# Altium PCB hellen1-72.PcbDoc (part 2 of 3)
Units mm, origin at the board's own origin, x right, y up, seen from the top; angles counter-clockwise.
Board outline 154 x 159 mm, 2 copper layers (Top Layer, Bottom Layer), stack 1.171 mm thick; 132 components, 217 nets, 877 pads, 490 vias.
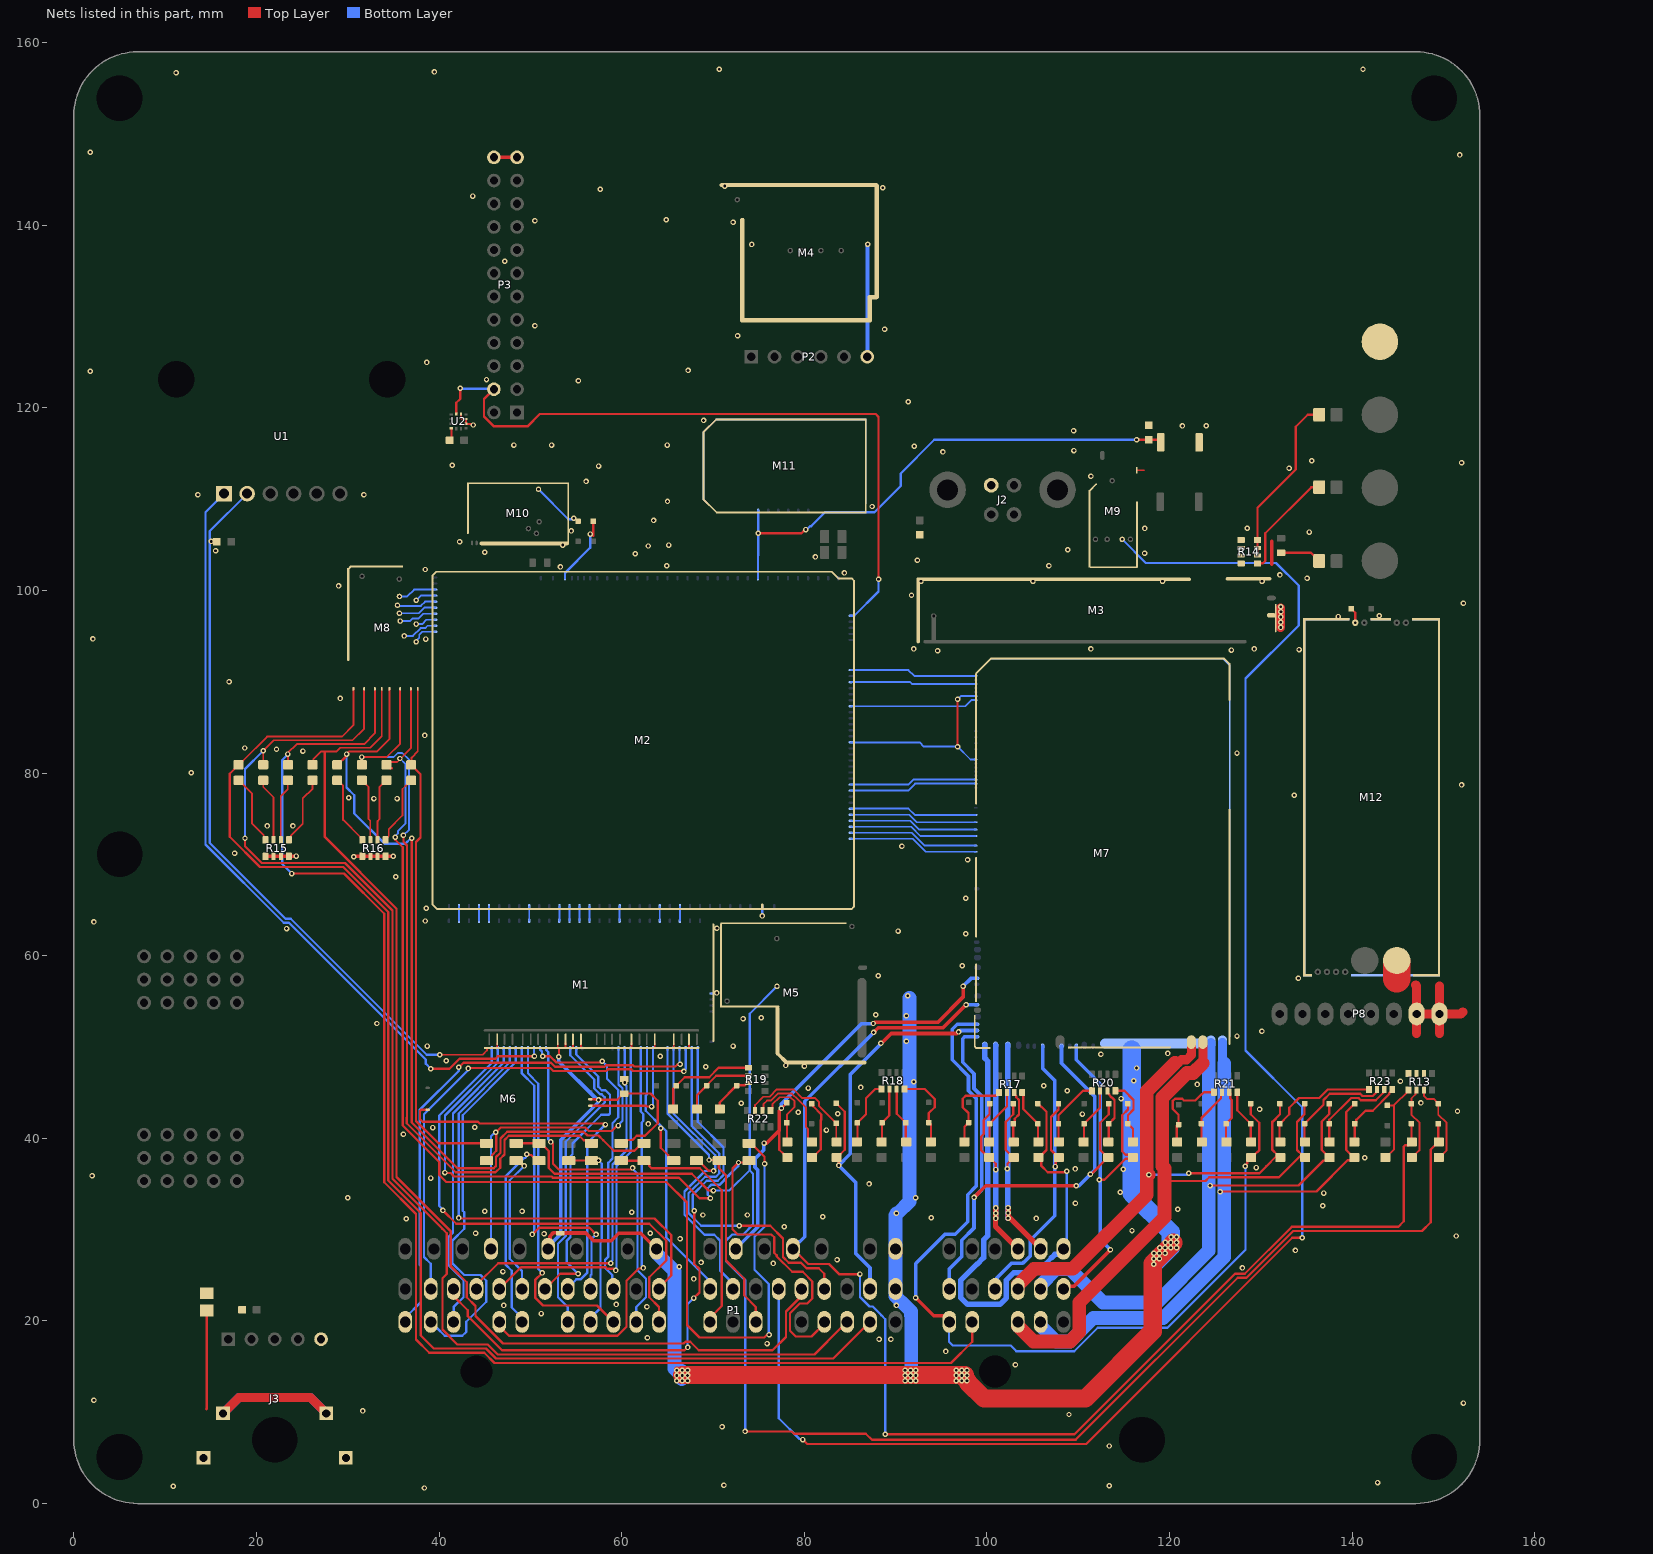
[diagram p2: the nets of this part, all layers, seen from the top]

## Via types
v1: diameter 0.6, hole 0.3, Top Layer to Bottom Layer, tented both sides, 490 vias

## Nets (pads, with @x,y where several pads share a name; then routed paths per layer and width w, separated by ;. In a path a pad name is that pad's centre, name@x,y a point inside that pad or via, vN(x,y) a via of type N, cw(c..) or ccw(c..) an arc to the next point about the centre after c; other vN are vias at no path point) (continued)
EXT_SPI_SCK: M2.E1 P3.4 U2.12 | length 77.8
  Top Layer w0.25: U2.12@41.9,119.325 41.9,120.55 42.325,120.975 v1(42.325,122.15) ; P3.4@46.01,122.04 44.935,120.965 44.935,119.055 46.015,117.975 49.691,117.975 51.041,119.325 87.825,119.325 88.138,119.013 v1(88.138,101.237)
  Bottom Layer w0.25: v1(42.325,122.15) 42.38,122.095 45.955,122.095 P3.4@46.01,122.04 ; M2.E1@85.102,97.225 85.475,97.225 88.138,99.888 v1(88.138,101.237)
FTP_PPS: M1.N5 M2.S29 | length 1.6
  Bottom Layer w0.2: M1.N5@45.483,63.83 M2.S29@45.483,65.42
FUEL_LEVEL: M1.N24 M2.S10 | length 1.6
  Bottom Layer w0.2: M1.N24@66.382,63.83 M2.S10@66.382,65.42
GND: C1.2 C2.1 C4.2 C5.1 J1.1 J2.4 J3.5 L1.1 M1.E1 M2.S2 M3.G M4.G M4.V2 M4.V3 M5.S1 M7.G M7.S3 M8.G M9.E1 M9.S1 M10.E1 M11.G M12.E6 M12.G P1.3A P1.3B P1.4A P2.6 P3.23 P3.24 P7.1 P8.1 P8.2 R13.6 R13.7 R13.8 R14.5 R14.6 R14.7 R14.8 R15.5 R15.6 R15.7 R15.8 R16.5 R16.6 R16.7 R16.8 S2.2 U2.4 U2.8 U2.9 U2.11 | length 224.4
  Top Layer w0.2: C4.2@41.16,116.45 41.35,116.64 U2.4@41.35,117.775 ; U2.11@42.4,119.325 42.4,118.9 42.525,118.775 U2.9@42.95,118.775 U2.8@42.95,118.275 42.975,118.25 43.625,118.25 v1(43.75,118.125) ; M9.E1@116.42,113.175 117.25,113.175
  Top Layer w0.4: R15.5@20.999,70.886 R15.6@21.874,70.886 R15.7@22.674,70.886 R15.8@23.549,70.886 23.574,70.911 v1(24.374,70.911) ; v1(30.674,70.836) 30.724,70.886 R16.5@31.599,70.886 R16.6@32.474,70.886 R16.7@33.274,70.886 R16.8@34.149,70.886 v1(34.974,70.886) v1@34.999,70.861 ; P3.24@46.01,147.44 P3.23@48.55,147.44 ; J1.1@53.475,29.625 56.075,29.625 56.5,29.2 56.5,29.185 56.91,28.775 58.85,28.775 59.675,29.6 62.1,29.6 63.14,28.56 63.292,28.56 63.8,28.052 P1.4A@63.8,27.9 ; 131.2,102.875 131.2,105.373 ; v1(132.2,98.225) 132.2,97.669 v1(132.21,97.659)
  Top Layer w0.6: v1@66.05,13.575 v1(66.05,14.025) v1(66.05,14.6) v1@66.05,14.725 ; v1@66.65,13.575 v1(66.65,14.025) 66.65,14.075 v1(66.65,14.6) v1@66.65,14.725 ; v1@67.225,13.575 v1(67.225,14.025) 67.225,14.075 v1(67.225,14.6) v1@67.225,14.725 ; v1@91.05,13.575 v1(91.05,14.025) 91.05,14.075 v1(91.05,14.6) v1@91.05,14.725 ; v1@91.65,13.575 v1(91.65,14.025) 91.65,14.075 v1(91.65,14.6) v1@91.65,14.725 ; v1@92.225,13.575 v1(92.225,14.025) 92.225,14.075 v1(92.225,14.6) v1@92.225,14.725 ; v1@96.65,13.575 v1(96.65,14.025) 96.65,14.075 v1(96.65,14.6) v1@96.65,14.725 ; v1@97.25,13.575 v1(97.25,14.025) 97.25,14.075 v1(97.25,14.6) v1@97.25,14.725 ; v1@97.825,13.575 v1(97.825,14.025) v1(97.825,14.6) v1@97.825,14.725
  Top Layer w1: v1@132.15,95.975 v1@132.15,98.075 ; 146.975,56.8 147.075,56.7 P8.2@147.075,53.625 ; 147.075,51.5 P8.2@147.075,53.625 ; 149.575,51.5 P8.1@149.575,53.625 ; 149.575,56.7 P8.1@149.575,53.625 ; 152.125,53.85 151.9,53.625 P8.1@149.575,53.625 ; P8.2@147.075,53.625 P8.1@149.575,53.625
  Top Layer w1.5: P1.3A@90,27.45 P1.3A@90,27.9
  Top Layer w2: v1@66.65,14.075 67.225,14.075 91.05,14.075 91.65,14.075 92.225,14.075 96.65,14.075 97.25,14.075 v1@97.6,14.075 ; v1(97.25,14.025) v1(97.825,13.45) 97.95,13.325 97.95,13.228 99.678,11.5 110.801,11.5 118.175,18.874 118.175,26.3 v1@120.425,28.55 ; M12.E6@144.9,59.475 M12.E6@145.091,59.284
  Top Layer w3: 144.891,57.459 M12.E6@144.891,59.309
  Bottom Layer w0.25: M1.E1@69.85,55.858 70.358,55.858 v1(70.425,55.925) ; v1(75.4,64.35) 75.405,64.355 M2.S2@75.405,65.323
  Bottom Layer w0.4: P2.6@86.927,125.6 M4.V3@86.927,137.909
  Bottom Layer w1.5: P1.4A@63.8,27.9 63.8,27.45 65.8,25.45 65.8,14.775 v1@66.05,14.525 ; v1@66.6,13.637 v1@66.6,14.525 ; P1.3A@90,27.45 P1.3B@90,23.5 90,22.709 90.659,22.05 90.704,22.05 91.7,21.054 91.7,20.65 91.725,20.625 v1@91.725,14.025 ; P1.3A@90,27.9 v1@90,31.549 ; v1(90.1,31.8) 90.251,31.8 91.525,33.074 v1@91.525,55.4
  Bottom Layer w2: 115.875,49.725 115.875,33.975 120.15,29.7 v1(120.15,28.6) 120.15,28.075 v1(118.275,26.2)
  other v1: 38.4,1.7 10.9,1.9 113.4,1.95 71.2,2 142.8,2.3 113.4,6.3 71,8.4 109,9.75 31.661,10.144 152.2,11 2.2,11.3 66.05,13.45 66.65,13.45 67.225,13.45 91.05,13.45 91.65,13.45 92.225,13.45 96.65,13.45 97.25,13.45 103.136,15.196 95.505,16.658 75.925,17.525 88.2,18 89.5,18 62.825,18.15 51.2,20.8 62.775,21.55 47.1,21.7 90.1,21.7 59.4,21.8 67.9,24.6 47,25.4 128,25.8 66.3,25.925 76.6,26.3 68.7,26.4 83.6,26.7 118.275,26.8 118.9,26.8 118.3,27.4 118.9,27.4 119.525,27.4 133.8,27.725 118.925,28 119.525,28 120.15,28 120.775,28 119.55,28.6 120.775,28.6 66.4,29 120.175,29.2 120.775,29.2 151.425,29.3 51.5,29.55 44,29.6 63.125,29.6 115.9,29.9 77.8,30.3 36.4,31.2 105.425,31.225 93.9,31.3 82.025,31.4 68.9,31.6 73.775,31.6 61.1,31.9 45,32 49.1,32 120.9,32.225 136.8,32.6 109.7,32.9 30,33.5 92.2,33.5 136.9,34 114.6,34.1 87.1,35 39.1,35.65 2,35.9 114.95,36.625 109.675,36.65 129.5,36.8 141.4,37.875 36.1,40.45 82.431,40.899 39.325,41.175 43.9,41.2 62.925,41.575 110.475,42.65 83.675,42.7 79.35,42.85 151.55,42.975 129.875,43.175 73.104,43.827 147.55,43.875 114.7,44.35 108.8,45.2 80.45,45.5 86.2,45.575 106.225,45.75 123.05,45.9 92,46.2 145.3,46.25 116.1,46.3 116.4,47.7 69.225,47.85 80.025,47.9 77.975,47.975 40.8,48.5 64.225,49 112.5,49.2 119.825,49.3 38.7,50.1 72.2,50.1 91.2,50.625 127.4,51.2 130.125,51.725 33.2,52.575 73.3,53.1 75.3,53.2 91.2,53.425 87.825,53.525 91.35,55.625 134.125,57.525 88.1,57.8 97.3,58.9 97.7,62.4 90.275,62.7 23.3,62.975 70.44,63.02 2.2,63.7 38.5,63.8 38.6,65.2 97.7,66.3 35.275,68.65 97.894,70.504 17.604,71.232 90.7,72 21.199,74.211 23.999,74.211 32.874,77.211 35.399,77.211 30.099,77.311 133.675,77.575 152,78.7 12.85,80.025 127.4,82.2 25.099,82.411 22.199,82.611 18.725,82.75 38.425,84.125 29.175,88.175 17,90 94.6,93.4 126.795,93.475 134.2,93.525 92,93.6 111.4,93.6 129.3,93.6 38.55,94.675 2.1,94.7 132.2,95.95 132.2,96.525 132.2,97.1 138.475,97.15 142.975,97.225 152.2,98.6 91.75,99.475 29,100.5 135.075,101.35 132.1,101.7 84.4,101.925 38.5,102.3 53.3,102.575 64.95,102.7 106.8,102.7 92.4,103.3 81.225,103.675 61.5,104.025 117.275,104.075 45,104.2 15.525,104.35 108.875,104.45 62.921,104.872 53.55,104.975 65.175,104.975 42.25,105.35 135.3,106.4 54.475,106.525 117.3,106.8 128.531,106.805 63.5,107.675 87.425,109.2 65.025,109.75 13.6,110.5 31.775,110.5 56.1,111.95 111.4,112.5 133.1,113.4 57.475,113.625 41.454,113.719 152,114 135.6,114.2 95.189,115.171 109.543,115.323 92.049,115.802 48.2,115.925 52.325,115.925 65,115.925 109.5,117.5 121.425,118.025 124.025,118.05 68.975,118.625 91.4,120.675 55.275,122.975 45.2,123.1 1.8,124 67.275,124.1 38.65,124.975 72.7,127.9 88.8,128.6 50.5,129 47.186,136.055 72.2,140.325 50.5,140.5 64.9,140.6 43.7,143.2 57.65,143.95 88.6,144.1 71.3,144.3 151.8,147.7 1.8,148 11.2,156.7 39.5,156.8 70.699,157.092 141.2,157.1
GNDA: C3.2 J1.2 M1.J2 M1.J4 M1.J11 M1.J12 M1.J13 M1.J14 M1.J19 M1.J22 M1.J23 M1.J25 M1.N2 M2.S32 M6.E2 P1.4O R6.2 R12.1 U1.2 | length 142.6
  Top Layer w0.2: v1(40.075,49.15) 44.775,49.15 45.245,49.62 45.245,49.877 45.269,49.9 M1.J2@56.72,49.9 ; M1.J2@46.37,49.925 M1.J4@46.37,50.45 ; M1.J2@52.995,49.925 M1.J11@52.995,50.45 ; v1(53.125,48.925) M1.J2@53.125,49.9 ; M1.J2@53.87,49.925 M1.J12@53.87,50.45 ; M1.J2@54.67,49.925 M1.J13@54.67,50.45 ; M1.J2@55.545,49.925 M1.J14@55.545,50.45 ; M1.J2@61.07,49.925 M1.J19@61.07,50.45 ; M1.J2@63.62,49.925 M1.J22@63.62,50.45 ; M1.J2@65.7,49.925 M1.J23@65.7,50.45 ; M1.J2@67.375,49.925 M1.J25@67.375,50.45
  Top Layer w0.25: M6.E2@56.575,44.275 57.1,44.275 57.15,44.225 59.515,44.225 60.19,44.9 R12.1@60.3,44.9 63.175,44.9 63.95,44.125 63.95,41.659 62.566,40.275 61.649,40.275 61.199,39.825 60.325,39.825 R6.2@59.95,39.45
  Top Layer w0.4: v1(15.05,105.375) 15.063,105.362 15.647,105.362 C3.2@15.66,105.35 ; P1.4O@51.95,27.9 52.158,28.108 52.158,29.218 52.2,29.26 52.2,29.325 52.55,29.675 J1.2@52.825,29.675
  Bottom Layer w0.2: M1.N2@42.18,63.827 42.183,63.83 42.183,65.12 ; 42.185,65.123 42.183,65.12 ; M2.S32@42.185,65.423 42.183,65.42 42.183,65.12
  Bottom Layer w0.25: U1.2@18.99,110.6 14.875,106.485 14.875,105.375 14.875,72.364 23.189,64.05 23.75,64.05 38.65,49.15 v1(40.075,49.15)
  Bottom Layer w0.4: P1.4O@51.95,27.9 51.95,28.148 53.35,29.548 53.35,39.854 57.437,43.941 57.437,44.108 57.475,44.108 57.475,44.146 57.321,44.3 57.25,44.3 53.125,48.425 v1(53.125,48.925)
  other v1: 57.475,44.2
IAT: M1.N15 M2.S19 | length 1.6
  Bottom Layer w0.2: M1.N15@56.483,63.83 M2.S19@56.483,65.42
IDLE: M2.E18 M7.W29 M7.W35 | length 21.8
  Top Layer w0.2: v1(96.8,82.9) v1(96.8,88.1)
  Bottom Layer w0.2: M2.E18@85.102,83.365 92.635,83.365 93.1,82.9 v1(96.8,82.9) 98.211,81.489 M7.W29@98.772,81.489 ; v1(96.8,88.1) 97.139,88.439 M7.W35@98.772,88.439
IGN1: M2.W1 M8.V8 | length 2.8
  Bottom Layer w0.2: M8.V8@37.5,94.375 37.5,94.483 37.833,94.817 37.833,95.158 38.155,95.48 M2.W1@39.575,95.48
IGN2: M2.W2 M8.V7 | length 3.8
  Bottom Layer w0.2: M8.V7@36.19,95.025 37.134,95.025 37.989,95.88 38.48,95.88 38.74,96.14 M2.W2@39.575,96.14
IGN3: M2.W3 M8.V6 | length 2.3
  Bottom Layer w0.2: M8.V6@37.5,96.325 38.15,96.325 38.625,96.8 M2.W3@39.575,96.8
IGN4: M2.W4 M8.V5 | length 4.2
  Bottom Layer w0.2: M8.V5@35.74,96.65 36.8,96.65 37.1,96.95 37.775,96.95 38.285,97.46 M2.W4@39.575,97.46
IGN5: M2.W5 M8.V4 | length 4.2
  Bottom Layer w0.2: M8.V4@35.665,97.5 37.759,97.5 38.379,98.12 M2.W5@39.575,98.12
IGN6: M2.W6 M8.V3 | length 4.3
  Bottom Layer w0.2: M8.V3@35.45,98.375 35.509,98.316 38.009,98.316 38.474,98.78 M2.W6@39.575,98.78
IGN7: M2.W7 M8.V2 | length 2.3
  Bottom Layer w0.2: M8.V2@37.5,98.925 38.015,99.44 M2.W7@39.575,99.44
IGN8: M2.W8 M8.V1 | length 4.2
  Bottom Layer w0.2: M8.V1@35.665,99.35 36.525,99.35 37.275,100.1 M2.W8@39.575,100.1
IN_AC_PRESS: M1.S17 P1.4F | length 39.9
  Top Layer w0.25: v1(52.25,39.6) 52.475,39.375 52.475,37.225 53.125,36.575 61.025,36.575 v1(61.2,36.75)
  Bottom Layer w0.25: M1.S17@51.715,49.865 51.715,49.716 51.975,49.456 51.975,39.907 52.25,39.632 v1(52.25,39.6) ; v1@61.2,36.675 61.745,36.13 61.745,25.55 62.675,24.62 62.675,22.605 61.6,21.53 P1.4F@61.6,19.9
IN_AFR: M1.S25 P1.3L R1.1 | length 84.9
  Top Layer w0.25: v1(40.65,36.25) 40.7,36.2 41.275,36.2 41.65,35.825 52.314,35.825 52.464,35.675 66.289,35.675 68.539,33.425 v1(69.725,33.425) ; R1.1@73.95,37.55 73.75,37.35 v1(72.8,37.35) 72.15,36.7 72.15,30.05 72.725,29.475 76.4,29.475 76.705,29.17 76.705,27.47 76.975,27.2 76.975,27.078 78.678,25.375 79.825,25.375 80.875,24.325 80.875,22.45 80.338,21.913 79.513,21.913 78.45,20.85 78.45,18.925 79.075,18.3 80.8,18.3 82.2,19.7 P1.3L@82.2,19.9
  Bottom Layer w0.25: v1(40.65,36.25) 40.65,42.489 46.435,48.274 M1.S25@46.435,49.865 ; v1(69.725,33.425) 69.725,33.52 69.425,33.82 69.425,34.534 69.791,34.9 70.175,34.9 70.707,34.9 71.72,35.913 72.761,36.955 72.761,37.311 v1(72.8,37.35)
IN_BRAKE: M1.S23 P1.4B | length 51.5
  Top Layer w0.25: v1@42.125,31.275 42.175,31.225 63.6,31.225 65.45,29.375 65.45,25 64.1,23.65 P1.4B@64.1,23.5
  Bottom Layer w0.25: v1(42.15,31.275) 42.15,42.716 47.755,48.321 M1.S23@47.755,49.865
IN_CAM: M1.S5 P1.3V R3.1 | length 35.3
  Top Layer w0.25: R3.1@68.2,37.55 68.425,37.55 69.525,36.45 70.05,36.45 v1(70.075,36.425)
  Bottom Layer w0.25: M1.S5@65.689,49.865 65.689,42.697 70.25,38.136 70.25,36.695 v1@70.075,36.52 ; v1(70.075,36.425) 69.139,36.425 66.875,34.161 66.875,31.639 68.539,29.975 69.089,29.425 70.145,29.425 70.775,28.795 70.775,25.525 72.2,24.1 P1.3V@72.2,23.5
IN_CLT: M1.S15 P1.4P | length 33.8
  Top Layer w0.25: P1.4P@51.6,23.5 51.6,23.612 52.177,24.189 52.289,24.189 53.275,25.175 v1(55.225,25.175)
  Bottom Layer w0.25: M1.S15@55.021,49.865 55.021,49.179 57.453,46.747 57.453,45.641 57.82,45.275 58.243,45.275 58.737,44.781 58.737,42.707 58.605,42.575 57.78,42.575 54.63,39.425 54.63,38.255 54.4,38.025 54.4,29.19 54.005,28.795 54.005,26.395 v1(55.225,25.175)
IN_CLUTCH: M1.S20 P1.4I | length 38
  Top Layer w0.25: v1(51.3,25.25) 50.525,24.475 50.525,22.575 51.4,21.7 57.3,21.7 58.411,20.589 58.523,20.589 59.1,20.012 P1.4I@59.1,19.9
  Bottom Layer w0.25: M1.S20@49.735,49.865 49.735,47.115 50.875,45.975 50.875,25.675 v1(51.3,25.25)
IN_CRANK: M1.S8 P1.3Y R4.1 | length 33.8
  Top Layer w0.25: v1(64.275,41.1) 64.275,38.975 65.1,38.15 65.1,37.925 65.475,37.55 R4.1@65.7,37.55
  Bottom Layer w0.25: M1.S8@62.768,49.865 62.768,44.793 62.65,44.675 62.65,43.02 v1@64.423,41.248 ; v1(64.275,41.1) v1@64.423,41.248 ; P1.3Y@69.7,23.5 69.7,24.288 69.352,24.636 69.352,24.673 64.875,29.15 64.875,40.795 v1@64.423,41.248
IN_EGR: M1.S22 P1.4AE | length 42.3
  Bottom Layer w0.25: P1.4AE@39.1,19.9 39.1,19.788 39.677,19.211 39.789,19.211 40.625,18.375 42.55,18.375 42.975,18.8 42.975,19.9 45.175,22.1 45.175,24.395 44.545,25.025 42.761,25.025 41.485,26.301 41.485,28.81 42.775,30.1 42.775,31.887 42.6,32.062 42.6,42.529 48.415,48.344 M1.S22@48.415,49.865
IN_FTP_PPS: M1.S24 P1.4AB | length 33.6
  Bottom Layer w0.25: P1.4AB@41.6,19.9 41.6,21.53 42.675,22.605 42.675,24.475 41.025,26.125 41.025,29.189 41.525,29.689 41.525,42.727 47.095,48.297 M1.S24@47.095,49.865
IN_FUEL_LEVEL: M1.S3 P1.4AD | length 52.9
  Top Layer w0.25: v1(43.2,47.65) 43.25,47.7 52.193,47.7 52.518,47.375 58.32,47.375 58.495,47.55 61.064,47.55 61.239,47.375 66.775,47.375 v1(66.825,47.325)
  Bottom Layer w0.25: P1.4AD@39.1,23.5 39.1,26.26 38.355,27.005 38.355,42.643 43.163,47.45 v1@43.2,47.45 ; v1(66.825,47.325) 66.825,47.42 67.025,47.62 67.025,48.672 67.009,48.688 M1.S3@67.009,49.865
IN_IAT: M1.S16 P1.4N | length 34.2
  Bottom Layer w0.25: P1.4N@54.1,19.9 54.1,21.53 53.025,22.605 53.025,28.452 53.875,29.302 53.875,39.636 58.15,43.911 58.15,44.484 57.809,44.825 57.633,44.825 57.003,45.455 57.003,46.447 54.361,49.089 M1.S16@54.361,49.865
IN_KNOCK: M1.S7 M6.E3 | length 13.2
  Top Layer w0.25: M6.E3@56.575,43.575 62.655,43.575 62.755,43.475 v1(63.275,43.475)
  Bottom Layer w0.25: v1(63.275,43.475) 63.275,43.57 63.428,43.723 M1.S7@63.428,49.865
IN_KNOCK_RAW: M6.W1 P1.4M | length 42.2
  Top Layer w0.25: M6.W1@38.678,43.125 38.057,43.125 37.925,42.993 37.925,42.096 38.196,41.825 44.274,41.825 44.474,41.625 58.1,41.625 v1(58.225,41.5)
  Bottom Layer w0.25: P1.4M@54.1,23.5 54.1,23.63 55.02,24.55 55.484,24.55 56.25,25.316 56.25,39.525 v1(58.225,41.5)
IN_MAF: M1.S11 P1.4X R12.2 | length 40.9
  Top Layer w0.25: P1.4X@44.1,23.5 44.1,23.95 46.475,26.325 v1@58.7,26.325 ; R12.2@60.3,46.5 60.35,46.45 v1@60.35,46
  Bottom Layer w0.25: v1@58.7,26.332 59,26.632 59,27.364 59,37.141 60.537,38.678 60.537,45.718 60.35,45.905 v1@60.35,46 ; v1@60.327,46 M1.S11@60.327,49.865
  other v1: 58.8,26.325 60.35,46.1
IN_MAP2: M1.S12 P1.4U R11.1 | length 39.5
  Top Layer w0.25: R11.1@45.2,37.55 45.425,37.55 45.8,37.925 45.8,38.15 46.275,38.625 46.275,40.73 46.374,40.829 46.404,40.829 46.75,41.175 56.023,41.175 56.398,40.8 58.93,40.8 59.53,41.4 v1(59.625,41.4)
  Bottom Layer w0.25: P1.4U@45.69,27.9 45.69,40.226 46.125,40.661 v1@46.125,40.675 ; v1(59.625,41.4) 59.625,41.455 60.087,41.917 60.087,45.479 59.667,45.899 59.667,46.588 M1.S12@59.667,49.865
  other v1: 46.225,40.675
IN_MAP3: M1.S19 U1.1 | length 87.2
  Top Layer w0.25: v1(39.1,47.625) 41.141,47.625 42.241,48.725 46.173,48.725 46.423,48.975 v1(50.45,48.975)
  Bottom Layer w0.25: U1.1@16.45,110.6 14.425,108.575 14.425,72.177 23.002,63.6 23.564,63.6 38.561,48.602 38.561,48.164 v1(39.1,47.625) ; M1.S19@50.395,49.865 50.395,49.03 v1(50.45,48.975)
IN_NEUTRAL: M1.S18 P1.4H | length 34.5
  Top Layer w0.25: v1(51.35,49) 52.166,49 52.866,48.3 57.63,48.3 57.78,48.45 v1(57.875,48.45)
  Bottom Layer w0.25: M1.S18@51.055,49.865 51.055,49.74 51.278,49.517 51.278,49.166 51.35,49.095 v1(51.35,49) ; v1(57.875,48.45) 58.4,47.925 58.4,46.53 59.637,45.293 59.637,42.296 59,41.659 59,37.778 58.55,37.328 58.55,27.059 58.175,26.684 58.175,25.816 58.966,25.025 58.966,23.634 P1.4H@59.1,23.5
IN_O2S: M1.S9 P1.4W | length 47
  Top Layer w0.25: P1.4W@46.6,19.9 46.6,19.45 47.675,18.375 59.545,18.375 60.525,19.355 60.525,24.395 61.864,25.734 62.311,25.734 v1(62.378,25.801)
  Bottom Layer w0.25: M1.S9@62.108,49.865 62.108,42.926 62.365,42.669 62.365,41.899 62.195,41.729 62.195,26.079 62.378,25.896 v1(62.378,25.801)
IN_O2S2: M1.S1 P1.4AA | length 66.4
  Top Layer w0.25: P1.4AA@41.6,23.5 41.6,22.725 43.15,21.175 43.15,20.525 46.9,16.775 66.896,16.775 v1@67.298,17.177 ; v1(67.9,22.5) 68.525,23.125 68.525,25.691 67.954,26.262 v1(67.954,32.079)
  Bottom Layer w0.25: v1@67.375,17.1 67.221,17.254 67.221,21.821 v1(67.9,22.5) ; v1(67.954,32.079) 67.954,32.174 67.775,32.354 67.775,33.789 69.336,35.35 70.52,35.35 71.15,35.98 71.15,39 68.329,41.821 M1.S1@68.329,49.865
  other v1: 67.25,17.1
IN_SENS2: M1.S2 P1.3K | length 41.9
  Top Layer w0.25: v1(72.875,30.425) 76.275,30.425 77.685,29.015 77.685,27.005 78.315,26.375 79.649,26.375 80.249,25.775 81.6,25.775 82.2,25.175 P1.3K@82.2,23.5
  Bottom Layer w0.25: M1.S2@67.669,49.865 67.669,41.354 70.7,38.323 70.7,37.35 70.7,36.684 70.7,36.166 70.334,35.8 69.15,35.8 67.325,33.975 67.325,31.825 68.725,30.425 v1(72.875,30.425)
IN_SENS4: M1.S4 P1.4AH | length 57
  Top Layer w0.25: v1(42.175,47.775) 42.675,48.275 52.255,48.275 52.705,47.825 58.134,47.825 58.309,48 61.25,48 61.391,47.859 65.886,47.859 66.086,48.058 66.333,48.058 v1(66.4,48.125)
  Bottom Layer w0.25: P1.4AH@36.3,19.9 36.3,20.35 38.025,22.075 38.025,26.003 37.905,26.123 37.905,43.141 42.175,47.411 v1(42.175,47.775) ; M1.S4@66.349,49.865 66.349,48.176 v1(66.4,48.125)
IN_STEERING: M1.S26 P1.4C | length 56.2
  Top Layer w0.25: v1(40.425,32.1) 41.875,30.65 63.02,30.65 64.875,28.795 64.875,26.625 63.025,24.775 63.025,22.605 64.1,21.53 P1.4C@64.1,19.9
  Bottom Layer w0.25: v1(40.425,32.1) 40.425,32.184 40.025,32.584 40.025,42.5 45.775,48.25 M1.S26@45.775,49.865
IN_TPS: M1.S10 P1.4V | length 39
  Top Layer w0.25: P1.4V@46.6,23.5 46.6,23.612 47.177,24.189 47.289,24.189 48.975,25.875 58.266,25.875 58.441,25.7 59.08,25.7 59.255,25.525 v1(59.35,25.525)
  Bottom Layer w0.25: v1(59.35,25.525) 59.417,25.592 59.417,25.799 59.45,25.832 59.45,27.55 59.45,36.955 60.987,38.492 M1.S10@60.987,49.865
IN_VIGN: D3.1 D9.1 M5.V3 R9.2 R10.2 | length 179.2
  Top Layer w0.25: R9.2@48.45,39.45 R10.2@50.95,39.45 51.175,39.45 52.025,38.6 52.025,36.75 52.65,36.125 67.675,36.125 69.525,34.275 v1(70.05,34.275) ; v1(73.525,7.9) 78.641,7.9 78.891,7.65 86.75,7.65 87.425,6.975 109.725,6.975 127.475,24.725 128.445,24.725 133.57,29.85 147.675,29.85 148.625,30.8 148.625,38.775 149.45,39.6 D9.1@149.5,39.6 149.45,39.65 D3.1@149.45,41.6
  Bottom Layer w0.25: v1(70.05,34.275) 71.8,34.275 74.025,36.5 ; v1(73.525,7.9) 73.525,24.475 71.425,26.575 71.425,28.795 72.104,29.474 73.324,29.474 74.4,30.55 74.4,36.125 74.025,36.5 ; M5.V3@77.018,56.643 74.025,53.65 74.025,36.5
IN_VSS: M1.S6 P1.3T R2.1 | length 34.8